# KiCad board 4in1.kicad_pcb (continued)
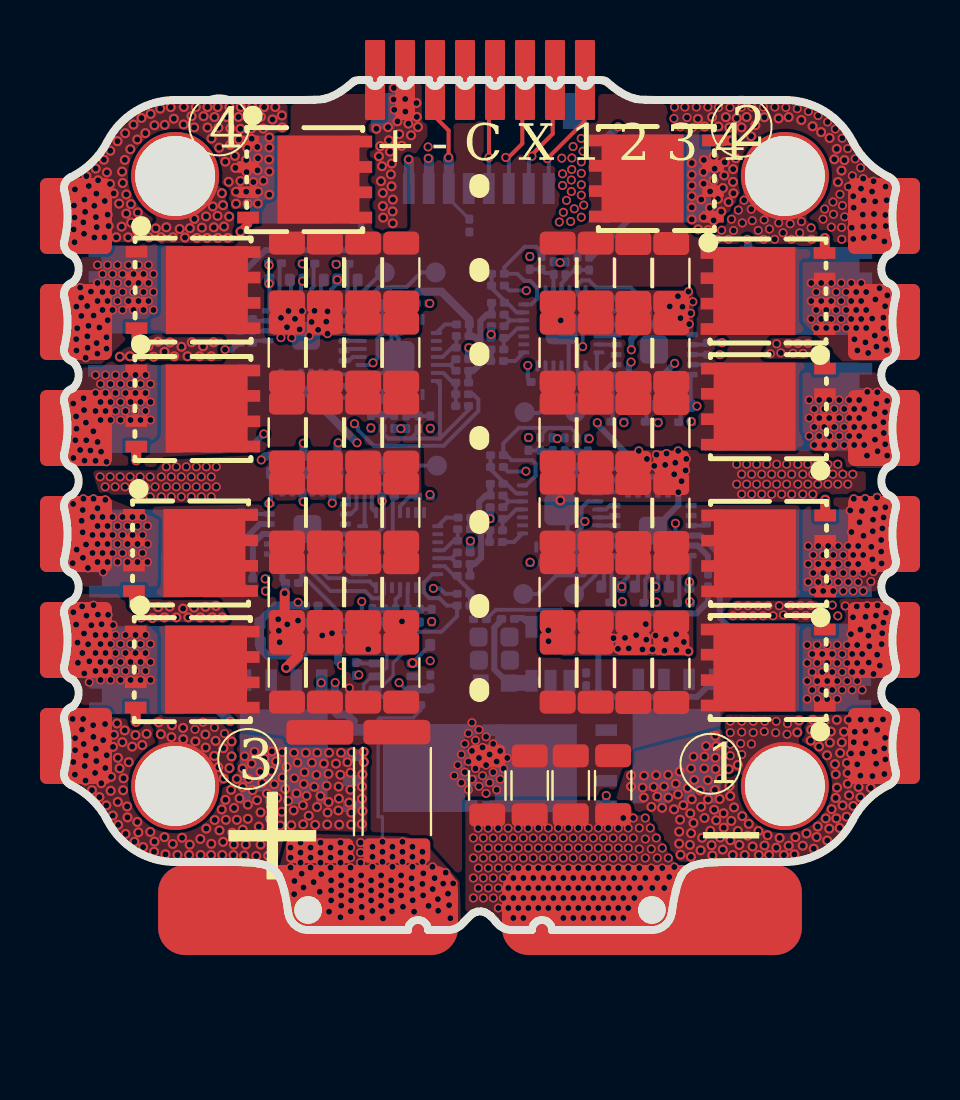
[diagram p0: board, top side]
## Nets
+3V3: C4.2 C49.1 C51.2 C55.1 C61.1 C66.1 C81.1 C93.1 R18.2 R21.2 R40.2 R58.2 R84.2 R85.2 R86.2 R88.2 U2.17 U5.17 U7.17 U9.17 U12.3 U15.1 U15.2
+10V: C47.1 C57.1 C58.1 C63.1 C68.1 C76.1 C86.1 R120.1 U4.4 U6.4 U8.4 U10.4 U14.2 U15.4 U15.6
/ESC1/vdda: C48.1 R84.1 U2.5
/ESC2/vdda: C54.1 R85.1 U5.5
/ESC3/vdda: C60.1 R86.1 U7.5
/ESC4/vdda: C65.1 R88.1 U9.5
GND: C2.2 C2#2.2 C3.2 C3#2.2 C4.1 C6.2 C8.2 C9.2 C13.2 C13#2.2 C13#3.2 C14.2 C14#2.2 C14#3.2 C17.2 C18.2 C26.2 C26#2.2 C26#3.2 C27.2 C27#2.2 C27#3.2 C30.2 C40.2 C41.2 C43.2 C43#2.2 C43#3.2 C44.2 C44#2.2 C44#3.2 C47.2 C48.2 C49.2 C50.2 C51.1 C52.2 C54.2 C55.2 C57.2 C58.2 C59.2 C60.2 C61.2 C63.2 C64.2 C65.2 C66.2 C68.2 C69.2 C70.2 C74.2 C76.2 C81.2 C82.2 C82#2.2 C82#3.2 C83.2 C83#2.2 C83#3.2 C84.2 C84#2.2 C84#3.2 C85.2 C85#2.2 C85#3.2 C86.2 C93.2 C94.2 C96.2 C97.2 C98.2 C99.2 C107.2 C107#2.2 C107#3.2 C108.2 C108#2.2 C108#3.2 J1.2 J1.P1 J1.P2 Q2.1 Q3.1 Q4.1 Q5.1 Q11.1 Q12.1 Q14.1 Q15.1 Q21.1 Q22.1 Q23.1 Q24.1 R11.1 R14.1 R19.2 R22.2 R26.1 R29.1 R32.1 R35.1 R41.2 R47.1 R50.1 R53.1 R59.2 R65.1 R68.1 R71.1 R121.2 U2.16 U2.29 U3.2 U3.4 U3.11 U4.6 U4.25 U5.16 U5.29 U6.6 U6.25 U7.16 U7.29 U8.6 U8.25 U9.16 U9.29 U10.6 U10.25 U12.1 U12.2 U13.2 U15.3 U15.5 U15.7
+BATT: C2.1 C2#2.1 C3.1 C3#2.1 C6.1 C8.1 C9.1 C13.1 C13#2.1 C13#3.1 C14.1 C14#2.1 C14#3.1 C17.1 C18.1 C26.1 C26#2.1 C26#3.1 C27.1 C27#2.1 C27#3.1 C30.1 C43.1 C43#2.1 C43#3.1 C44.1 C44#2.1 C44#3.1 C69.1 C70.1 C74.1 C82.1 C82#2.1 C82#3.1 C83.1 C83#2.1 C83#3.1 C84.1 C84#2.1 C84#3.1 C85.1 C85#2.1 C85#3.1 C96.1 C97.1 C98.1 C99.1 C107.1 C107#2.1 C107#3.1 C108.1 C108#2.1 C108#3.1 J1.1 Q1.3 Q6.3 Q7.3 Q8.3 Q9.3 Q10.3 Q13.3 Q16.3 Q17.3 Q18.3 Q19.3 Q20.3 R89.2 Rsense1.2 Rsense2.2 U3.3 U13.4 U13.5
/CSA+: R90.2 Rsense1.1 Rsense2.1 U3.1
/CURR: C94.1 J1.3 R73.1 U3.5
/ESC1/AH: U2.20 U4.22
/ESC1/AL: U2.15 U4.1
/ESC1/BH: U2.19 U4.23
/ESC1/BL: U2.14 U4.2
/ESC1/CH: U2.18 U4.24
/ESC1/CL: U2.13 U4.3
/ESC1/FBA: R25.1 R26.2 R27.2 U2.6
/ESC1/FBB: R28.2 R29.2 R30.2 U2.10
/ESC1/FBC: R31.2 R32.2 R33.2 U2.11
/ESC1/FBCOMMON: R25.2 R28.1 R31.1 U2.7
/ESC1/GHA: R76.1 U4.19
/ESC1/GHB: R55.1 U4.16
/ESC1/GHC: R23.1 U4.13
/ESC1/GLA: R80.1 U4.11
/ESC1/GLB: R62.1 U4.10
/ESC1/GLC: R42.1 U4.9
/ESC1/MotorA: C53.1 Q1.1 Q2.3 R27.1 U3.23 U4.18
/ESC1/MotorB: C32.1 Q6.1 Q11.3 R30.1 U3.22 U4.15
/ESC1/MotorC: C36.1 Q16.1 Q21.3 R33.1 U3.21 U4.12
/ESC2/AH: U5.20 U6.22
/ESC2/AL: U5.15 U6.1
/ESC2/BH: U5.19 U6.23
/ESC2/BL: U5.14 U6.2
/ESC2/CH: U5.18 U6.24
/ESC2/CL: U5.13 U6.3
/ESC2/FBA: R10.1 R11.2 R12.2 U5.6
/ESC2/FBB: R13.2 R14.2 R15.2 U5.10
/ESC2/FBC: R34.2 R35.2 R36.2 U5.11
/ESC2/FBCOMMON: R10.2 R13.1 R34.1 U5.7
/ESC2/GHA: R77.1 U6.19
/ESC2/GHB: R56.1 U6.16
/ESC2/GHC: R24.1 U6.13
/ESC2/GLA: R81.1 U6.11
/ESC2/GLB: R63.1 U6.10
/ESC2/GLC: R43.1 U6.9
/ESC2/MotorA: C56.1 Q3.3 Q7.1 R12.1 U3.20 U6.18
/ESC2/MotorB: C33.1 Q8.1 Q12.3 R15.1 U3.19 U6.15
/ESC2/MotorC: C37.1 Q17.1 Q22.3 R36.1 U3.18 U6.12
/ESC3/AH: U7.20 U8.22
/ESC3/AL: U7.15 U8.1
/ESC3/BH: U7.19 U8.23
/ESC3/BL: U7.14 U8.2
/ESC3/CH: U7.18 U8.24
/ESC3/CL: U7.13 U8.3
/ESC3/FBA: R46.1 R47.2 R48.2 U7.6
/ESC3/FBB: R49.2 R50.2 R51.2 U7.10
/ESC3/FBC: R52.2 R53.2 R54.2 U7.11
/ESC3/FBCOMMON: R46.2 R49.1 R52.1 U7.7
/ESC3/GHA: R78.1 U8.19
/ESC3/GHB: R60.1 U8.16
/ESC3/GHC: R37.1 U8.13
/ESC3/GLA: R82.1 U8.11
/ESC3/GLB: R74.1 U8.10
/ESC3/GLC: R44.1 U8.9
/ESC3/MotorA: C62.1 Q4.3 Q13.1 R48.1 U3.15 U8.18
/ESC3/MotorB: C34.1 Q9.1 Q14.3 R51.1 U3.16 U8.15
/ESC3/MotorC: C38.1 Q18.1 Q23.3 R54.1 U3.17 U8.12
/ESC4/AH: U9.20 U10.22
/ESC4/AL: U9.15 U10.1
/ESC4/BH: U9.19 U10.23
/ESC4/BL: U9.14 U10.2
/ESC4/CH: U9.18 U10.24
/ESC4/CL: U9.13 U10.3
/ESC4/FBA: R64.1 R65.2 R66.2 U9.6
/ESC4/FBB: R67.2 R68.2 R69.2 U9.10
/ESC4/FBC: R70.2 R71.2 R72.2 U9.11
/ESC4/FBCOMMON: R64.2 R67.1 R70.1 U9.7
/ESC4/GHA: R79.1 U10.19
/ESC4/GHB: R61.1 U10.16
/ESC4/GHC: R38.1 U10.13
/ESC4/GLA: R83.1 U10.11
/ESC4/GLB: R75.1 U10.10
/ESC4/GLC: R45.1 U10.9
/ESC4/MotorA: C67.1 Q5.3 Q19.1 R66.1 U3.12 U10.18
/ESC4/MotorB: C35.1 Q10.1 Q15.3 R69.1 U3.13 U10.15
/ESC4/MotorC: C39.1 Q20.1 Q24.3 R72.1 U3.14 U10.12
/M1: J1.5 R20.1 U3.7
/M2: J1.6 R39.1 U3.8
/M3: J1.7 R57.1 U3.9
/M4: J1.8 R87.1 U3.10
Net-(Q1-G): Q1.2 R76.2
Net-(Q2-G): Q2.2 R80.2
Net-(Q3-G): Q3.2 R81.2
Net-(Q4-G): Q4.2 R82.2
Net-(Q5-G): Q5.2 R83.2
Net-(Q6-G): Q6.2 R55.2
Net-(Q7-G): Q7.2 R77.2
Net-(Q8-G): Q8.2 R56.2
Net-(Q9-G): Q9.2 R60.2
Net-(Q10-G): Q10.2 R61.2
Net-(Q11-G): Q11.2 R62.2
Net-(Q12-G): Q12.2 R63.2
Net-(Q13-G): Q13.2 R78.2
Net-(Q14-G): Q14.2 R74.2
Net-(Q15-G): Q15.2 R75.2
Net-(Q16-G): Q16.2 R23.2
Net-(Q17-G): Q17.2 R24.2
Net-(Q18-G): Q18.2 R37.2
Net-(Q19-G): Q19.2 R79.2
Net-(Q20-G): Q20.2 R38.2
Net-(Q21-G): Q21.2 R42.2
Net-(Q22-G): Q22.2 R43.2
Net-(Q23-G): Q23.2 R44.2
Net-(Q24-G): Q24.2 R45.2
Net-(U2-BOOT0): R19.1 U2.1
Net-(U2-NRST): C50.1 R18.1 U2.4
Net-(U2-PA13): TP1.1 U2.21
Net-(U2-PA14): TP4.1 U2.22
Net-(U2-PB4): R20.2 U2.25
Net-(U4-VB1): C53.2 U4.20
Net-(U4-VB2): C32.2 U4.17
Net-(U4-VB3): C36.2 U4.14
Net-(U5-BOOT0): R22.1 U5.1
Net-(U5-NRST): C52.1 R21.1 U5.4
Net-(U5-PA13): TP2.1 U5.21
Net-(U5-PA14): TP5.1 U5.22
Net-(U5-PB4): R39.2 U5.25
Net-(U6-VB1): C56.2 U6.20
Net-(U6-VB2): C33.2 U6.17
Net-(U6-VB3): C37.2 U6.14
Net-(U7-BOOT0): R41.1 U7.1
Net-(U7-NRST): C59.1 R40.1 U7.4
Net-(U7-PA13): TP3.1 U7.21
Net-(U7-PA14): TP6.1 U7.22
Net-(U7-PB4): R57.2 U7.25
Net-(U8-VB1): C62.2 U8.20
Net-(U8-VB2): C34.2 U8.17
Net-(U8-VB3): C38.2 U8.14
Net-(U9-BOOT0): R59.1 U9.1
Net-(U9-NRST): C64.1 R58.1 U9.4
Net-(U9-PA13): TP7.1 U9.21
Net-(U9-PA14): TP8.1 U9.22
Net-(U9-PB4): R87.2 U9.25
Net-(U10-VB1): C67.2 U10.20
Net-(U10-VB2): C35.2 U10.17
Net-(U10-VB3): C39.2 U10.14
Net-(U12-+IN): C41.1 C42.2 R90.1 U12.4
Net-(U12--IN): C40.1 C42.1 R89.1 U12.5
Net-(U12-OUT): R73.2 U12.6
Net-(U13-CB): C75.2 U13.1
Net-(U13-FB): R120.2 R121.1 U13.3
Net-(U13-SW): C75.1 U13.6 U14.1

Pads without a net: J1 4; U2 2 3 9 12 26 27 28; U3 6; U4 5 7 8 21; U5 2 3 9 12 26 27 28; U6 8 21; U7 2 3 9 12 26 27 28; U8 5 7 8 21; U9 2 3 8 9 12 26 27 28; U10 21

## Via types
v1: diameter 0.45, hole 0.3, Top to Bottom, 1124 vias
v2: diameter 0.5, hole 0.3, Top to Bottom, 578 vias

## Routing (per net, layer and track width the routed paths; a pad name or vN(x,y) marks a point on that pad's centre or on a via; arc(x,y) is an arc through that point)
+3V3: length 87.5
  In2.Cu w0.8: 24.08,18.06 24.08,18.72 23.34,19.46 v1(20.31,19.46) ; 24.08,18.06 20.44,14.42 15.88,14.42 ; 24.08,18.06 24.08,19.08 25.34,20.34 ; v1(20.31,19.46) 17.72,19.46 15.81,21.37 ; v1(20.31,19.46) 21.29,20.44 v1(21.29,20.57) 21.51,20.34 25.34,20.34 ; 15.88,14.42 16.24,14.06 16.24,13.97 16.41,13.8 16.41,12.7 v1(16.74,12.37) ; 15.88,14.42 14.65,15.65 12.82,15.65 12.08,16.39 v1(11.69,16.39) ; v1(20.24,29.11) 20.87,29.11 21.34,29.59 v1(21.34,29.78) 21.34,29.64 21.82,29.17 v1(25.93,29.17) 25.44,28.69 25.44,23.77 26.9,22.32 26.9,21.22 26.11,20.43 v1(26.04,20.43) 26.04,20.42 25.96,20.34 25.34,20.34
  In3.Cu w0.8: v1(20.24,29.11) 19.48,28.36 v1(15.44,28.36)
  Bottom w0.2: v1(11.69,16.39) 11.67,16.36 11.45,16.36 11.11,16.02 10.48,16.02 C4.2 ; v1(25.93,29.17) 25.93,30.15 26.26,30.48 U5.17 ; v1(25.93,29.17) 25.68,28.92 25.68,27.45 25.73,27.4 ; v1(25.93,29.17) 25.92,29.17 ; 15.86,31.33 15.91,31.28 15.91,29.81 15.66,29.56 15.66,28.58 15.33,28.25 U9.17 ; 25.87,20.12 25.62,19.87 25.62,18.4 25.67,18.35 ; 25.87,20.12 25.87,21.1 26.2,21.43 U2.17 ; 25.87,20.12 25.87,20.19 25.97,20.29 25.97,20.36 v1(26.04,20.43) ; U12.3 17.08,12.03 v1(16.74,12.37) ; R88.2 20.23,29.11 R58.2 v1(20.24,29.11) ; v1(21.34,29.78) 21.34,29.62 R21.2 ; U7.17 15.4,18.59 15.73,18.92 15.73,19.9 15.98,20.15 15.98,21.62 15.93,21.67
  Bottom w0.4: U12.3 18.23,12.03 C93.1 ; v1(20.31,19.46) 20.3,19.45 R86.2 ; R88.2 20.23,29.1 v1(20.24,29.11) ; v1(21.29,20.57) 21.3,20.58 R84.2 ; U15.2 U15.1 11.16,13.72 10.17,13.72 9.79,14.1 C4.2 9.79,15.46 10.55,16.22 C81.1 ; v1(15.89,21.45) 15.87,21.47 C61.1 ; R85.2 21.36,29.79 v1(21.34,29.78)
+10V: length 61.2
  In2.Cu w0.6: 28.36,29.09 28.07,29.09 26.66,27.68 v1(26.66,25.37)
  In2.Cu w0.7: v1(13.86,13.23) 12.73,13.23 12.15,12.65 12.15,12.07 12.91,11.31 16.88,11.31 18.3,12.73 v1(18.3,13.46)
  In3.Cu w0.8: 19.19,22.45 19.51,22.13 19.51,14.81 18.3,13.6 v1(18.3,13.46) ; 19.19,22.45 19.19,23.39 18.29,24.28 14.72,24.28 ; 19.19,22.45 22.14,25.41 26.61,25.41 v1(26.66,25.37)
  Bottom w0.2: U8.4 11.91,17.74 13.69,15.96 U15.4 14.55,15.49 14.93,15.11 14.93,14.45 14.67,14.19 C76.1
  Bottom w0.3: U4.4 29.69,22.47 C57.1 29.27,22.67 26.66,25.28 v1(26.66,25.37) ; U8.4 11.91,17.55 C63.1 ; v1(28.36,29.01) 28.36,29.56 28.83,30.03 29.16,30.03 29.75,30.62 U6.4 29.75,31.52 C58.1
  Bottom w0.4: U15.6 13.69,13.4 v1(13.86,13.23) ; C68.1 11.84,27.21 U10.4 11.84,27.16 v1(14.64,24.36)
/ESC1/vdda: length 1.5
  Bottom w0.2: R84.1 22.23,21.43 ; 22.23,21.43 C48.1 ; 22.23,21.43 U2.5
/ESC2/vdda: length 1.5
  Bottom w0.2: C54.1 22.29,30.48 ; 22.29,30.48 R85.1 ; 22.29,30.48 U5.5
/ESC3/vdda: length 1.5
  Bottom w0.2: C60.1 19.37,18.59 ; 19.37,18.59 U7.5 ; 19.37,18.59 R86.1
/ESC4/vdda: length 1.5
  Bottom w0.2: R88.1 19.3,28.25 ; 19.3,28.25 C65.1 ; 19.3,28.25 U9.5
GND: length 63.9
  Top w0.5: v2(11.1,13.11) 11.68,13.69 11.68,13.81 ; v1(11.02,16.84) 11.02,15.41
  In3.Cu w0.2: v1(11.88,30.95) 12.37,30.46 v1(12.37,30.4) ; v1(12.69,30.01) v1(13.1,30.42)
  Bottom w0.2: v1(24.66,24.57) 24.62,24.61 R29.1 25.02,24.61 R32.1 ; U15.7 12.03,15.47 v1(11.69,15.47) ; U15.7 12.66,14.33 12.83,14.15 12.97,14.15 ; U15.7 v2(13.39,14.84) ; U9.16 15.92,27.85 U9.29 ; C40.2 15.4,14.24 v1(15.2,14.04) ; v2(11.1,13.11) 11.41,13.11 12.9,14.6 v2(12.9,14.73) ; 25.23,29.72 25.23,27.47 C55.2 ; R50.1 16.9,15.41 16.89,15.42 R53.1 ; C66.2 16.36,31.26 16.36,29.01 U9.29 ; C41.2 17.44,13.39 U12.1 ; U2.29 25.17,20.67 25.17,18.42 C49.2 ; U7.16 15.99,18.19 U7.29 16.43,19.35 16.43,21.6 C61.2 ; R71.1 16.82,25.08 v1(16.83,25.07) R68.1 ; 16.44,29.86 16.72,29.58 U9.29
  Bottom w0.3: 20.81,28.97 R22.2 21.33,29.02 C52.2 ; 20.81,28.97 20.81,30.45 21.13,30.77 C54.2 21.37,30.78 R11.1 ; 20.81,28.97 20.81,28.31 20.46,27.96 C65.2 20.22,27.95 R65.1 ; 20.81,28.97 20.81,29.37 20.48,29.7 C64.2 20.26,29.71 R59.2 ; C63.2 10.91,17.51 U8.6 ; 16.48,21.81 16.51,21.78 C61.2 ; R19.2 21.27,19.97 C50.2 21.05,19.98 20.75,20.28 ; 20.75,20.28 20.85,20.18 20.85,18.62 20.53,18.3 C60.2 20.29,18.29 R47.1 ; 20.75,20.28 20.56,20.28 C59.2 20.32,20.61 R41.2 ; 20.75,20.28 20.75,21.4 21.07,21.72 C48.2 21.3,22.3 R26.1 ; v1(30.71,21.89) 30.71,21.25 U4.25
  Bottom w0.4: C76.2 14.44,14.86 12.68,14.86 U15.7 ; 17.69,31.91 18.87,31.91 20.26,30.52 R59.2 ; v1(10.77,14.39) 10.77,14.87 11.3,15.4 12.1,15.4 U15.7 ; C4.1 10.75,14.98 v1(10.73,14.96) ; v1(11.02,16.84) 11.07,16.89 C63.2 ; v2(16.89,15.43) 16.91,15.41 R50.1 ; C81.2 12.69,14.87 U15.7 ; U12.1 v2(17.42,13.35) ; v1(10.7,15.54) 10.89,15.54 v1(11.15,15.28)
  Bottom w0.5: Q21.1 Q21.1 ; U10.6 10.84,27.17 C68.2 ; v1(18.21,38.58) 18.23,38.56 18.23,37.65
  vias: v1(1.79,22.66) v1(2.04,22.16) v1(2.29,22.66) v1(2.54,22.16) v1(2.79,22.66) v1(3.04,22.16) v1(3.29,22.66) v1(3.54,22.16) v1(3.79,22.66) v1(3.79,21.66) v1(3.84,15.61) v1(4.04,22.16) v1(4.29,22.66) v1(4.29,21.66) v1(4.54,22.16) v1(4.85,22.66) v1(4.85,21.66) v1(5.1,23.16) v1(5.1,22.16) v1(5.35,22.66) v1(5.35,21.66) v1(5.6,23.16) v1(5.6,22.16) v1(5.85,22.66) v1(5.85,21.66) v1(6.1,23.16) v1(6.1,22.16) v1(6.35,22.66) v1(6.35,21.66) v1(6.6,23.16) v1(6.6,22.16) v1(6.54,10.03) v1(6.85,22.66) v1(6.85,21.66) v1(6.94,10.39) v1(7.1,23.16) v1(7.1,22.16) v1(7.35,22.66) v1(7.35,21.66) v1(7.51,10.13) v1(7.6,23.16) v1(7.6,22.16) v1(8.02,9.82) v1(10.83,30.61) v1(10.83,29.62) v1(11.14,30.14) v1(11.21,30.95) v1(11.38,29.61) v1(11.54,30.56) v1(11.77,30.03) v1(12.25,29.71) v1(12.51,30.96) v1(13.16,30.93) v1(13.16,29.82) v1(16.48,42.1) v1(16.46,41.53) v1(16.5,41.01) v1(17.05,41.55) v1(18.2,39.15) v1(20.46,4.6) v1(20.46,3.6) v1(20.46,2.6) v1(20.46,1.6) v1(20.7,5.09) v1(20.71,4.1) v1(20.71,3.1) v1(20.71,2.1) v1(20.96,4.6) v1(20.96,3.6) v1(20.96,2.6) v1(20.96,1.6) v1(21.2,5.09) v1(21.21,4.1) v1(21.21,3.1) v1(21.21,2.1) v1(21.46,4.6) v1(21.46,3.6) v1(21.46,2.6) v1(21.46,1.6) v1(21.7,5.09) v1(21.71,4.1) v1(21.71,3.1) v1(21.71,2.1) v1(21.71,1.1) v1(21.96,4.6) v1(21.96,3.6) v1(21.96,2.6) v1(21.96,1.6) v1(22.2,5.09) v1(22.21,4.1) v1(22.21,3.1) v1(22.21,2.1) v1(22.21,1.1) v1(22.46,4.6) v1(22.46,3.6) v1(22.46,2.6) v1(22.46,1.6) v1(22.46,0.6) v1(22.7,5.09) v1(22.71,4.1) v1(22.71,3.1) v1(22.71,2.1) v1(22.71,1.1) v1(22.96,4.6) v1(22.96,3.6) v1(22.96,2.6) v1(22.96,1.6) v1(22.96,0.6) v1(23.2,5.09) v1(23.21,4.1) v1(23.21,3.1) v1(23.21,2.1) v1(23.21,1.1) v1(23.46,4.6) v1(23.46,3.6) v1(23.46,2.6) v1(23.46,1.6) v1(23.71,5.1) v1(23.71,4.1) v1(23.71,3.1) v1(23.71,2.1) v1(23.71,1.1) v1(23.96,4.6) v1(23.96,3.6) v1(23.96,2.6) v1(23.96,1.6) v1(24.21,5.1) v1(24.21,4.1) v1(24.21,3.1) v1(24.21,2.1) v1(24.21,1.1) v1(24.46,4.6) v1(24.46,3.6) v1(24.46,2.6) v1(24.46,1.6) v1(24.71,5.1) v1(24.71,4.1) v1(24.71,3.1) v1(24.71,2.1) v1(24.71,1.1) v1(24.76,35.4) v1(24.8,33.37) v1(24.88,38.59) v1(24.92,37.81) v1(24.92,37.23) v1(24.96,35.88) v1(24.96,4.6) v1(24.96,3.6) v1(24.96,2.6) v1(24.96,1.6) v1(24.96,0.6) v1(25.12,36.48) v1(25.21,5.1) v1(25.21,4.1) v1(25.21,3.1) v1(25.21,2.1) v1(25.21,1.1) v1(25.39,38.6) v1(25.38,38.03) v1(25.36,37.5) v1(25.36,36.92) v1(25.32,35.43) v1(25.45,39.17) v1(25.51,36.06) v1(25.46,4.6) v1(25.46,3.6) v1(25.46,2.6) v1(25.46,1.6) v1(25.46,0.6) v1(25.71,5.1) v1(25.71,4.1) v1(25.71,3.1) v1(25.71,2.1) v1(25.71,1.1) v1(25.85,39.58) v1(25.86,38.41) v1(25.86,37.83) v1(25.86,37.26) v1(25.86,36.74) v1(25.86,35.64) v1(25.94,38.94) v1(25.98,36.24) v1(25.96,4.6) v1(25.96,3.6) v1(25.96,2.6) v1(25.96,1.6) v1(25.96,0.6) v1(26.21,5.1) v1(26.21,4.1) v1(26.21,3.1) v1(26.21,2.1) v1(26.21,1.1) v1(26.46,4.6) v1(26.46,3.6) v1(26.46,2.6) v1(26.46,1.6) v1(26.46,0.6) v1(26.71,5.1) v1(26.71,4.1) v1(26.71,3.1) v1(26.71,2.1) v1(26.71,1.1) v1(26.96,4.6) v1(26.96,3.6) v1(26.96,2.6) v1(26.96,1.6) v1(26.96,0.6) v1(27.21,5.1) v1(27.21,4.1) v1(27.21,3.1) v1(27.21,2.1) v1(27.21,1.1) v1(27.47,14.59) v1(27.46,4.6) v1(27.46,3.6) v1(27.46,2.6) v1(27.46,1.6) v1(27.46,0.6) v1(27.71,5.1) v1(27.71,4.1) v1(27.71,3.1) v1(27.71,2.1) v1(27.71,1.1) v1(27.96,5.6) v1(27.96,4.6) v1(27.96,3.6) v1(27.96,2.6) v1(27.96,1.6) v1(27.96,0.6) v1(28.04,14.61) v1(28.21,5.1) v1(28.21,4.1) v1(28.21,3.1) v1(28.21,1.1) v1(28.26,2.1) v1(28.46,5.6) v1(28.46,4.6) v1(28.46,3.6) v1(28.51,2.6) v1(28.51,1.6) v1(28.6,14.74) v1(28.74,23.96) v1(28.76,5.1) v1(28.76,4.05) v1(28.76,3.1) v1(28.81,2.1) v1(29.08,15.3) v1(29.06,5.6) v1(29.06,4.55) v1(29.06,3.6) v1(29.06,2.6) v1(29.14,23.55) v1(29.11,14.52) v1(29.31,5.1) v1(29.36,4.05) v1(29.36,3.1) v1(29.41,2.1) v1(29.51,23.21) v1(29.57,14.72) v1(29.62,23.77) v1(29.61,4.6) v1(29.66,3.6) v1(29.66,2.6) v1(29.91,4.1) v1(29.91,3.1) v1(30.01,2.1) v1(30.05,23.25) v1(30.09,14.53) v1(30.12,23.83) v1(30.21,3.6) v1(30.28,31.18) v1(30.26,2.65) v1(30.5,22.79) v1(30.51,3.15) v1(30.56,23.36) v1(30.6,14.79) v1(30.69,31.69) v1(30.7,23.96) v1(30.82,30.6) v1(30.87,22.44) v1(30.92,31.16) v1(30.99,14.4) v1(31.08,22.98) v1(31.11,23.55) v1(31.22,31.92) v1(31.26,30.3) v1(31.33,30.84) v1(31.44,31.41) v1(32.64,34.54) v1(32.88,34.99) v1(33.22,34.54) v1(33.37,35.54) v1(33.31,10.44) v1(33.31,9.86) v1(33.31,9.29) v1(33.31,8.71) v1(33.47,34.97) v1(33.45,15.71) v1(33.63,23.29) v1(33.63,22.29) v1(33.7,16.21) v1(33.71,35.99) v1(33.88,22.79) v1(33.88,21.79) v1(33.88,10.44) v1(33.88,9.89) v1(33.83,9.32) v1(33.88,8.78) v1(34,36.49) v1(33.91,35.35) v1(33.95,15.71) v1(34.13,23.29) v1(34.13,22.29) v1(34.2,16.21) v1(34.36,36.04) v1(34.41,35.47) v1(34.38,22.79) v1(34.38,21.79) v1(34.36,9.3) v1(34.45,15.71) v1(34.46,10.44) v1(34.46,9.87) v1(34.71,34.98) v1(34.63,23.29) v1(34.63,22.29) v1(34.7,16.21) v1(34.88,22.79) v1(34.88,21.79) v1(35.01,35.51) v1(34.98,34.54) v1(34.95,15.71) v1(35.01,9.93) v1(35.03,10.44) v1(35.13,23.29) v1(35.13,22.29) v1(35.2,16.21) v1(35.27,35.05) v1(35.32,28.81) v1(35.38,22.79) v1(35.38,21.79) v1(35.45,15.71) v1(35.53,34.54) v1(35.61,10.44) v1(35.58,9.86) v1(35.63,29.31) v1(35.63,23.29) v1(35.63,22.29) v1(35.73,35.36) v1(35.76,16.21) v1(35.84,28.86) v1(35.88,22.79) v1(35.88,21.79) v1(35.95,34.86) v1(35.97,15.76) v1(36.2,29.33) v1(36.13,23.29) v1(36.13,22.29) v1(36.17,10.32) v1(36.15,9.79) v1(36.31,35.31) v1(36.37,34.54) v1(36.38,22.79) v1(36.38,21.79) v1(36.33,16.23) v1(36.45,28.83) v1(36.58,15.73) v1(36.7,29.33) v1(36.69,23.29) v1(36.69,22.29) v1(36.78,34.85) v1(36.87,35.42) v1(36.83,16.23) v1(36.95,28.83) v1(36.94,22.79) v1(36.94,21.79) v1(37.08,15.73) v1(37.2,29.33) v1(37.19,23.29) v1(37.19,22.29) v1(37.35,35.11) v1(37.37,34.54) v1(37.33,16.23) v1(37.44,22.79) v1(37.44,21.79) v1(37.69,23.29) v1(37.69,22.29) v1(37.94,22.79) v1(38.19,23.29) v1(38.19,22.29) v1(38.44,22.79) v1(38.41,16.25) v1(38.69,23.29) v1(38.69,22.29) v1(38.69,15.71) v1(38.94,22.79) v1(39.19,22.29) v1(39.44,22.79) v2(2.78,28.67) v2(3.28,28.69) v2(3.87,28.69) v2(4.21,29.18) v2(4.23,34.64) v2(4.4,15.6) v2(4.47,28.67) v2(4.57,35.08) v2(4.68,29.41) v2(4.69,16.14) v2(4.72,10.38) v2(4.83,34.64) v2(4.83,9.79) v2(5,15.63) v2(5.1,35.14) v2(5.01,28.91) v2(5.28,29.38) v2(5.27,16.17) v2(5.38,10.24) v2(5.35,9.64) v2(5.43,34.64) v2(5.5,28.69) v2(5.6,15.63) v2(5.77,35.05) v2(5.86,29.16) v2(5.94,16.07) v2(5.94,10.1) v2(5.95,9.54) v2(6.03,34.63) v2(6.16,28.69) v2(6.2,15.63) v2(6.28,35.09) v2(6.37,29.38) v2(6.5,35.55) v2(6.49,16.12) v2(6.55,9.43) v2(6.63,34.61) v2(6.76,28.69) v2(6.8,15.63) v2(6.88,35.12) v2(6.94,29.18) v2(7.09,35.68) v2(7.06,16.16) v2(7.06,9.77) v2(7.07,9.12) v2(7.14,34.61) v2(7.35,28.69) v2(7.4,15.63) v2(7.43,36.18) v2(7.48,35.14) v2(7.46,29.38) v2(7.5,8.7) v2(7.58,16.2) v2(7.57,9.46) v2(7.66,35.71) v2(7.67,34.61) v2(7.7,8.14) v2(7.88,36.84) v2(7.9,15.63) v2(7.93,36.24) v2(7.99,35.17) v2(7.96,9.09) v2(7.96,7.57) v2(8.18,34.61) v2(8.24,35.67) v2(8.26,8.1) v2(8.36,9.43) v2(8.36,8.68) v2(15.61,40.06) v2(15.8,39.19) v2(15.74,38.68) v2(15.89,38.19) v2(15.84,37.44) v2(15.93,36.85) v2(15.93,36.19) v2(15.95,35.62) v2(16.19,40.14) v2(16.24,39.48) v2(16.29,38.92) v2(16.38,38.33) v2(16.33,37.78) v2(16.37,37.18) v2(16.43,36.52) v2(16.42,35.93) v2(16.43,35.34) v2(16.66,40.43) v2(16.75,39.8) v2(16.88,39.21) v2(17.06,40.92) v2(17.21,40.32) v2(17.34,39.74) v2(17.61,41.35) v2(17.63,40.65) v2(17.69,40.15) v2(24.21,14.98) v2(24.22,14.44) v2(24.83,30.48) v2(24.81,21.48) v2(27.69,14.06) v2(28.23,14.08) v2(28.92,14.03) v2(29.42,14.03) v2(30.02,13.96) v2(30.61,14) v2(31.21,13.93) v2(33.23,8.04) v2(33.69,8.25) v2(36.66,9.88) v2(36.75,10.47)
+BATT: length 3.1
  Bottom w0.16: 14.17,12.08 R89.2 v1(14.26,12.1)
  Bottom w0.4: 24.32,9.7 23.57,8.95
  Bottom w0.5: v1(17.22,38.53) 17.23,38.52 17.23,37.65
  Bottom w0.8: 23.57,8.95 24.33,9.71
  vias: v1(19.5,7.72) v1(19.68,8.25) v1(19.86,8.78) v1(19.86,7.36) v1(20.03,9.31) v1(20.03,7.89) v1(20.21,9.84) v1(20.21,8.42) v1(20.21,7.01) v1(20.39,10.37) v1(20.39,8.95) v1(20.39,7.54) v1(20.56,9.48) v1(20.56,8.07) v1(20.74,10.01) v1(20.74,8.6) v1(20.74,7.19) v1(20.92,9.13) v1(20.92,7.72) v1(21.09,9.66) v1(21.09,8.25) v1(21.09,6.83) v1(21.27,8.78) v1(21.27,7.36) v1(21.45,9.31) v1(21.45,7.89) v1(21.63,8.42) v1(21.63,7.01) v1(21.8,8.95) v1(21.8,7.54) v1(21.98,8.07) v1(22.16,8.6)
/CSA+: length 8.9
  Bottom w0.16: 15.91,4.61 15.91,5.66 15.7,5.66 15.7,10.54 15.83,10.54 15.77,10.61 17.45,10.61 17.83,10.99 R90.2
  vias: v1(11.31,4.12) v1(11.31,3.62) v1(11.31,3.12) v1(11.51,2.45) v1(11.49,1.79) v1(11.81,4.37) v1(11.81,3.87) v1(11.81,3.37) v1(11.87,2.82) v1(11.96,2.12) v1(12.31,4.12) v1(12.31,3.62) v1(12.31,3.12) v1(12.47,2.4) v1(12.77,1.91) v1(12.81,4.37) v1(12.81,3.87) v1(12.81,3.37) v1(12.85,2.8) v1(13.24,0.91) v1(13.31,4.12) v1(13.31,3.62) v1(13.31,3.12) v1(13.34,2.48) v1(13.34,1.98) v1(13.34,1.48) v1(13.81,4.37) v1(13.81,3.87) v1(13.81,3.37) v1(13.84,2.73) v1(13.84,2.23) v1(13.84,1.73) v1(13.85,1.22) v1(13.81,0.64) v1(14.31,4.12) v1(14.31,3.62) v1(14.31,3.12) v1(14.34,2.48) v1(14.34,1.98) v1(14.34,1.48) v1(14.33,0.94) v1(14.81,4.37) v1(14.81,3.87) v1(14.81,3.37) v1(14.84,2.73) v1(14.84,2.23) v1(14.84,1.73) v1(14.87,1.16) v1(14.88,0.62) v1(15.34,2.48) v1(15.34,1.98) v1(15.34,1.48) v1(15.41,0.95) v1(15.41,4.16) v1(15.41,3.66) v1(15.41,3.16) v1(15.84,2.73) v1(15.84,2.23) v1(15.84,1.73) v1(15.84,1.21) v1(15.91,4.41) v1(15.91,3.91) v1(15.91,3.41) v1(15.94,0.58) v1(16.34,2.48) v1(16.34,1.98) v1(16.34,1.48) v1(16.39,0.93) v1(16.41,4.16) v1(16.41,3.66) v1(16.41,3.16) v1(16.84,2.73) v1(16.84,2.23) v1(16.84,1.73) v1(16.91,4.41) v1(16.91,3.91) v1(16.91,3.41) v1(16.94,1.16) v1(17.37,2.59) v1(17.39,2.06) v1(17.41,4.16) v1(17.41,3.66) v1(17.41,3.16) v1(17.43,1.49) v1(17.49,0.92) v1(17.91,3.91) v1(17.91,3.41) v1(17.95,2.84) v1(17.91,2.3) v1(17.95,1.73) v1(18.22,1.21) v1(18.41,3.16) v1(18.42,2.05) v1(18.52,2.59) v1(18.69,1.54) v1(18.7,0.96) v1(18.95,2.32) v1(19.08,2.87) v1(19.19,1.82) v1(19.25,1.24) v1(19.31,0.59) v1(19.45,2.33)
/CURR: length 35.7
  Top w0.2: 18.41,40.79 19.22,39.98 v1(19.22,38.62)
  In3.Cu w0.2: v1(19.22,38.62) 19.22,35.19 13.15,29.12 13.15,24.16 15.36,21.94 15.36,14.75 15.8,14.31 15.8,13.45 15.11,12.76 14.66,12.76
  Bottom w0.16: J1.3 19.23,36.57 C94.1
  Bottom w0.5: v1(19.22,38.62) 19.21,38.61 19.21,38.45 19.23,38.43 19.23,37.65
  vias: v1(14.73,12.76)
/ESC1/AH: length 0.9
  Bottom w0.2: U2.20 26.69,20.22 U4.22
/ESC1/AL: length 1.7
  Bottom w0.2: U4.1 27.41,21.89 27.4,21.88 27.05,22.23 U2.15
/ESC1/BH: length 0.9
  Bottom w0.2: U2.19 27.45,20.63 U4.23
/ESC1/BL: length 3.2
  Bottom w0.2: U2.14 26.32,22.59 27.41,22.59 27.57,22.43 28.4,22.43 28.69,22.14 U4.2
/ESC1/CH: length 0.9
  Bottom w0.2: U2.18 27.1,21.03 27.29,21.22 U4.24
/ESC1/CL: length 4.8
  Bottom w0.2: U4.3 29.19,22.16 28.28,23.07 26.55,23.07 26.19,23.44 25.83,23.44 25.61,23.22 U2.13
/ESC1/FBA: length 2.9
  Bottom w0.2: R25.1 R27.2 21.32,23.04 21.95,22.41 R26.2 22.12,22.31 22.6,21.83 U2.6
/ESC1/FBB: length 2.3
  Bottom w0.2: R30.2 24.42,23.98 R29.2 24.41,23.95 U2.10
/ESC1/FBC: length 2.3
  Bottom w0.2: U2.11 24.81,23.22 25.03,23.44 R32.2 26.18,23.96 R33.2
/ESC1/FBCOMMON: length 10
  Bottom w0.2: U2.7 23.09,22.23 23.57,22.71 23.57,23.33 23.41,23.49 22.36,23.49 22.11,23.74 R25.2 21.96,24.33 22.74,25.11 25.33,25.11 25.34,25.1 ; 25.34,25.1 25.61,24.83 R31.1 ; 25.34,25.1 24.18,25.1 23.81,24.73 R28.1
/ESC1/GHA: length 2.5
  Bottom w0.2: R76.1 27.37,16.45 27.37,18.55 U4.19
/ESC1/GHB: length 1.8
  Bottom w0.2: R55.1 29.06,16.42 29.06,17.52 29.19,17.65 U4.16
/ESC1/GHC: length 1.8
  Bottom w0.2: R23.1 30.76,16.43 30.76,18 U4.13
/ESC1/GLA: length 2
  Bottom w0.3: R80.1 32.2,18.69 31.67,19.22 U4.11
/ESC1/GLB: length 2.8
  Bottom w0.3: U4.10 31.82,19.72 32.79,18.75 R62.1
/ESC1/GLC: length 0.8
  Bottom w0.2: R42.1 32.02,20.22 U4.9
/ESC1/MotorA: length 24.8
  In3.Cu w0.2: v1(23.09,22.94) 23.12,22.91 25.8,22.91 27.88,20.83 v1(27.88,17.17)
  In3.Cu w0.4: v1(27.88,17.17) 28.16,17.17 28.56,16.77 28.56,16.14 28.18,15.76 26.75,15.76 26.39,15.4 26.39,9.68 v2(28.35,7.72)
  Bottom w0.2: v1(27.88,17.17) 27.88,17.36 28.19,17.67 U4.18 ; v1(23.09,22.94) 23.09,23.02 22.99,22.92 22.19,22.92 R27.1
  Bottom w0.4: 32.56,9.66 v2(32.1,9.2)
  vias: v1(40.95,10.53) v1(41.02,7.8) v2(28.35,7.18) v2(29,7.72) v2(28.92,7.12) v2(28.99,6.62) v2(29.36,6.16) v2(29.48,7.16) v2(29.6,7.74) v2(29.66,6.68) v2(29.9,6.11) v2(30,7.18) v2(30.2,7.76) v2(30.22,6.62) v2(30.5,6.03) v2(30.58,7.31) v2(30.7,6.78) v2(30.78,7.92) v2(30.8,5.52) v2(30.75,4.92) v2(30.75,4.32) v2(30.82,3.76) v2(30.96,6.24) v2(31.18,7.1) v2(31.29,4.26) v2(31.35,8.08) v2(31.39,6.54) v2(31.31,5.83) v2(31.35,4.84) v2(31.34,3.66) v2(31.47,8.67) v2(31.51,7.5) v2(31.47,5.35) v2(31.8,6.98) v2(31.85,6.16) v2(31.9,4.61) v2(31.83,3.99) v2(32.01,8.08) v2(32.02,8.67) v2(32.02,5.6) v2(32.19,7.49) v2(32.2,6.53) v2(32.31,4.96) v2(32.38,4.24) v2(32.51,6.02) v2(32.41,3.73) v2(32.56,9.71) v2(32.57,8.61) v2(32.57,8.05) v2(32.54,7) v2(32.61,5.48) v2(32.61,9.19) v2(32.79,7.56) v2(32.78,6.55) v2(32.81,4.62) v2(32.98,5.84) v2(32.98,5.12) v2(32.93,4.02) v2(33.27,7.2) v2(33.31,6.7) v2(33.36,5.45) v2(33.32,4.49) v2(33.5,6.13) v2(33.43,3.75) v2(33.69,4.95) v2(33.76,4.25) v2(33.91,5.69) v2(34.03,3.75) v2(34.18,4.72) v2(34.24,5.31) v2(34.43,4.17) v2(34.72,4.95) v2(34.74,3.75) v2(35.03,4.23) v2(35.17,4.74) v2(35.25,3.75) v2(35.61,4.11) v2(35.78,4.6) v2(36,3.75) v2(36.23,4.21) v2(36.57,4.64) v2(36.52,3.78) v2(36.93,4.21) v2(37.12,4.83) v2(37.36,10.01) v2(37.34,9.47) v2(37.44,10.51) v2(37.48,4.07) v2(37.69,5.17) v2(37.63,4.65) v2(37.75,9.17) v2(37.87,9.7) v2(38.04,10.47) v2(38.09,5.58) v2(38.15,8.74) v2(38.16,4.48) v2(38.29,9.37) v2(38.26,5.07) v2(38.34,9.92) v2(38.38,6.04) v2(38.55,8.29) v2(38.59,7.78) v2(38.58,6.6) v2(38.64,10.51) v2(38.65,7.12) v2(38.62,5.58) v2(38.78,5.1) v2(38.89,9.38) v2(38.81,8.85) v2(39,9.91) v2(38.93,6.23) v2(39.15,8.35) v2(39.18,7.85) v2(39.19,7.31) v2(39.13,5.67) v2(39.24,10.51) v2(39.25,6.74) v2(39.35,8.83) v2(39.49,9.39) v2(39.46,6.2) v2(39.54,9.91) v2(39.66,8.28) v2(39.73,7.15) v2(39.84,10.52) v2(39.82,7.72) v2(39.82,6.63) v2(39.91,8.83) v2(40.06,9.94) v2(40.09,9.33) v2(40.36,10.52) v2(40.34,7.1) v2(40.42,7.7) v2(40.52,8.92) v2(40.61,8.32) v2(40.66,10.01) v2(41.01,9.08) v2(41.06,9.61) v2(41.07,8.53)
/ESC1/MotorB: length 23
  In3.Cu w0.2: v1(29.57,17.17) 29.57,20.66 26.15,24.08 23.77,24.08 v1(23.22,24.63)
  In3.Cu w0.3: v1(37.66,14.25) 32.29,14.25 31.21,15.33 29.86,15.33 29.08,16.11 29.08,16.68 v1(29.57,17.17)
  Bottom w0.2: U4.15 29.69,17.29 v1(29.57,17.17) ; R30.1 v1(23.22,24.63)
  vias: v1(37.16,14.25) v1(37.16,13.35) v1(37.16,12.45) v1(37.16,11.55) v1(37.41,13.8) v1(37.41,12.9) v1(37.41,12) v1(37.66,13.35) v1(37.66,12.45) v1(37.66,11.55) v1(37.91,13.8) v1(37.91,12.9) v1(37.91,12) v1(38.16,14.25) v1(38.16,13.35) v1(38.16,12.45) v1(38.16,11.55) v1(38.41,13.8) v1(38.41,12.9) v1(38.41,12) v1(38.66,14.25) v1(38.66,13.35) v1(38.66,12.45) v1(38.66,11.55) v1(38.91,13.8) v1(38.91,12.9) v1(38.91,12) v1(39.06,16.2) v1(39.16,14.25) v1(39.16,13.35) v1(39.16,12.45) v1(39.34,14.79) v1(39.41,13.8) v1(39.41,12.9) v1(39.41,12) v1(39.45,15.64) v1(39.64,16.18) v1(39.66,14.25) v1(39.66,13.35) v1(39.66,12.45) v1(39.82,15.02) v1(39.91,13.8) v1(39.91,12.9) v1(39.91,12) v1(40.08,15.66) v1(40.16,16.22) v1(40.22,14.72) v1(40.27,14.19) v1(40.24,13.37) v1(40.49,15.16) v1(40.48,12.8) v1(40.6,15.72) v1(40.68,16.23) v1(40.66,13.76) v1(40.79,13.22) v1(40.88,14.29) v1(40.97,15.37) v1(40.91,14.84) v1(41.1,15.87)
/ESC1/MotorC: length 16
  In3.Cu w0.2: v1(26.25,24.57) 26.34,24.57 v1(30.57,20.34)
  In3.Cu w0.3: v1(37.21,17.4) 31.28,17.4 v1(31.27,17.41)
  Bottom w0.2: v1(26.25,24.57) 26.23,24.59 R33.1 ; v1(31.27,17.41) C36.1 v1(31.27,17.41) ; v1(31.27,17.41) 31.27,18.64 U4.12 31.08,18.72 30.57,19.23 v1(30.57,20.34)
  vias: v1(37.21,19.2) v1(37.21,18.3) v1(37.46,18.75) v1(37.46,17.85) v1(37.46,16.95) v1(37.71,19.2) v1(37.71,18.3) v1(37.71,17.4) v1(37.96,18.75) v1(37.96,17.85) v1(37.96,16.95) v1(38.21,19.2) v1(38.21,18.3) v1(38.21,17.4) v1(38.46,18.75) v1(38.46,17.85) v1(38.46,16.95) v1(38.71,19.2) v1(38.71,18.3) v1(38.71,17.4) v1(38.96,18.75) v1(38.96,17.85) v1(38.96,16.95) v1(39.21,19.2) v1(39.21,18.3) v1(39.21,17.4) v1(39.31,20.98) v1(39.37,19.9) v1(39.49,21.56) v1(39.46,18.75) v1(39.46,17.85) v1(39.46,16.95) v1(39.71,19.2) v1(39.71,18.3) v1(39.71,17.4) v1(39.78,20.39) v1(39.89,20.95) v1(39.97,19.71) v1(39.96,18.75) v1(39.96,17.85) v1(39.96,16.95) v1(40.06,21.57) v1(40.37,19.16) v1(40.35,17.42) v1(40.45,20.51) v1(40.44,19.94) v1(40.42,18.53) v1(40.48,17.92) v1(40.56,21.07) v1(40.65,21.64) v1(40.86,19.5) v1(40.86,18.92) v1(40.88,18.33) v1(40.98,20.63) v1(40.92,20.08) v1(41.07,21.14)
/ESC2/AH: length 0.9
  Bottom w0.2: U5.20 26.75,29.27 U6.22
/ESC2/AL: length 1.7
  Bottom w0.2: U5.15 27.11,31.28 27.46,30.93 27.47,30.94 U6.1
/ESC2/BH: length 0.9
  Bottom w0.2: U5.19 27.51,29.68 U6.23
/ESC2/BL: length 3.2
  Bottom w0.2: U5.14 26.38,31.64 27.47,31.64 27.63,31.48 28.46,31.48 28.75,31.19 U6.2
/ESC2/CH: length 0.9
  Bottom w0.2: U5.18 27.16,30.08 27.35,30.27 U6.24
/ESC2/CL: length 4.8
  Bottom w0.2: U5.13 25.67,32.27 25.89,32.49 26.25,32.49 26.61,32.12 28.34,32.12 29.25,31.21 U6.3
/ESC2/FBA: length 2.9
  Bottom w0.2: U5.6 22.63,30.88 22.15,31.36 R11.2 22.01,31.46 21.37,32.1 R10.1
/ESC2/FBB: length 2.2
  Bottom w0.2: R15.2 R13.2 24.05,32.85 24.49,32.85 24.47,32.83 U5.10
/ESC2/FBC: length 2.2
  Bottom w0.2: 26.24,33.01 R36.2 25.51,33 25.27,32.76 R35.2 25.07,32.53 24.87,32.33 U5.11
/ESC2/FBCOMMON: length 8.4
  Bottom w0.2: U5.7 23.36,31.28 23.65,31.57 23.65,32.11 23.31,32.46 23.01,32.46 22.66,32.81 R10.2 22.01,33.14 23.03,34.16 23.61,34.16 23.87,33.9 R13.1 23.87,33.78 24.02,33.93 25.62,33.93 25.67,33.88 R34.1
